# KiCad board STM32MP25XXAJ_DDR4.kicad_pcb (continued)
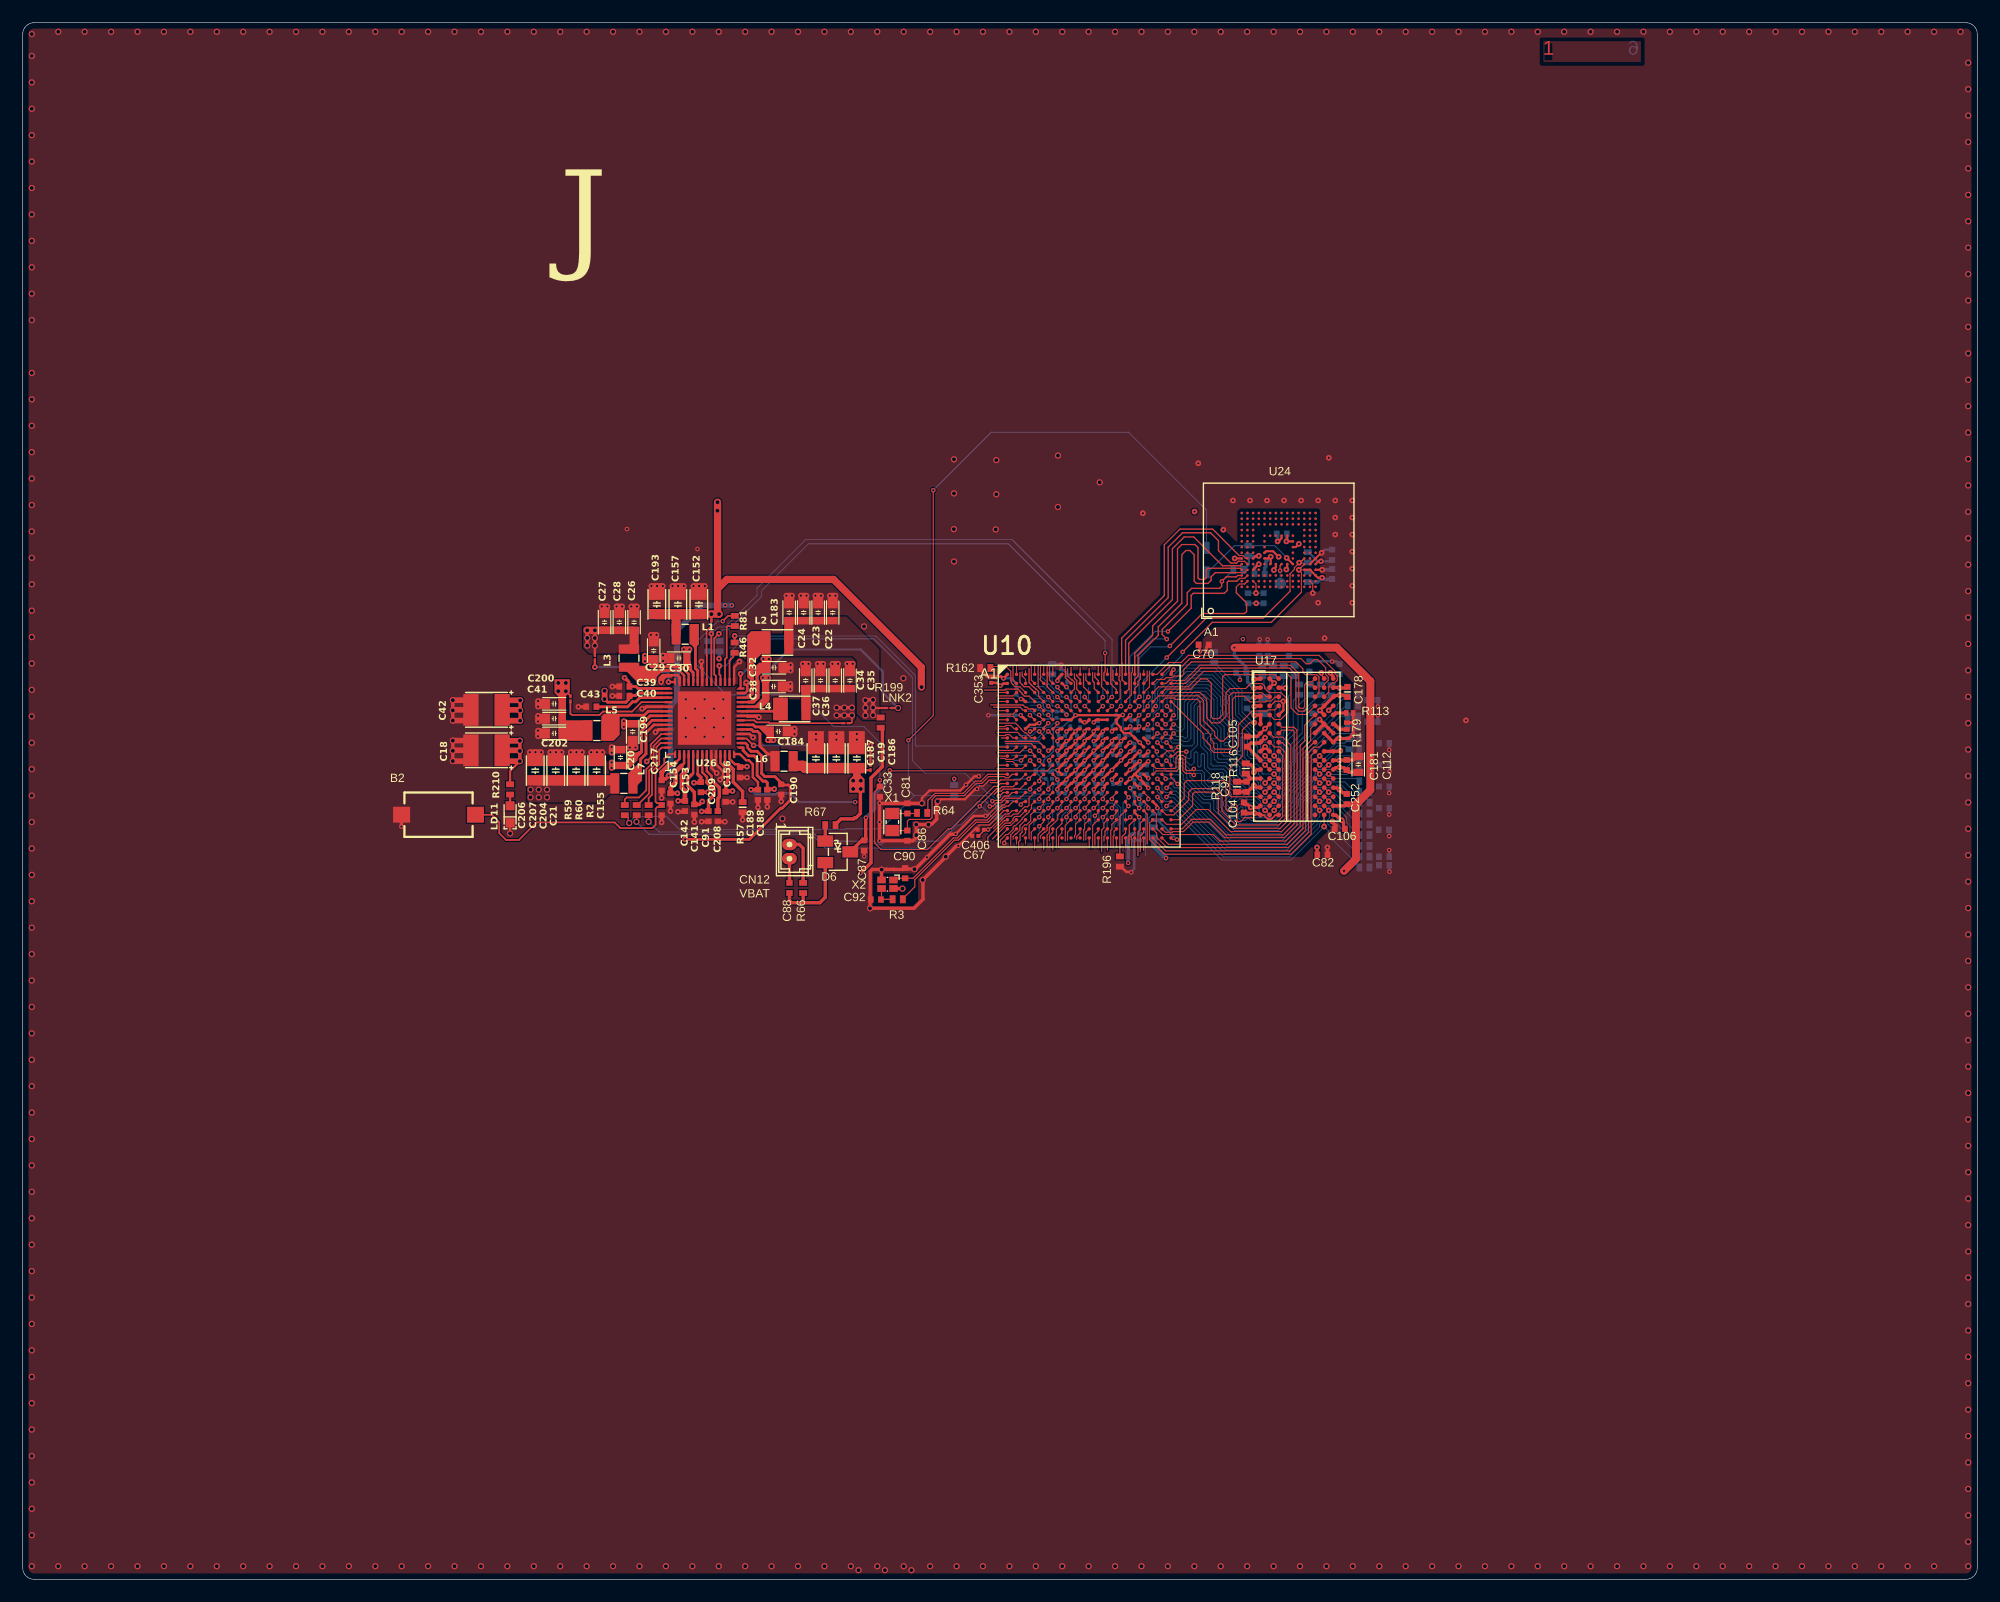
[diagram p0: board, top side]
## Placement (name value [footprint] x y rotation side) (continued)
R266  Resistor  [R0402]  117.05 75.95 0 bottom
R268  Resistor  [R0402]  118.07 74.05 0 bottom
R271  Resistor  [R0402]  117.05 75 0 bottom
R272  Resistor  [R0402]  85.92 67.5 270 bottom
R273  Resistor  [R0402]  118.07 72.15 0 bottom
R275  Resistor  [R0402]  118.07 63.6 0 bottom
R276  Resistor  [R0402]  118.07 73.1 0 bottom
R277  Resistor  [R0402]  118.07 70.25 0 bottom
R278  Resistor  [R0402]  118.07 69.3 0 bottom
R279  Resistor  [R0402]  118.07 68.35 0 bottom
R280  Resistor  [R0402]  118.07 67.4 0 bottom
R281  Resistor  [R0402]  118.07 66.45 0 bottom
R282  Resistor  [R0402]  118.07 65.5 0 bottom
R283  Resistor  [R0402]  118.07 64.55 0 bottom
R284  Resistor  [R0402]  118.07 62.65 0 bottom
TP9  Test Point  [TP_SMD_1MM]  110.67 87.65 90 bottom
U10  IC_STM32MP257FAJ3  [ICC_TFBGA361_16X16_P080]  93.85 72.45 0 top
U17  MT40A2G16TBB-062E:F  [ICC_FBGA96_TBB_7P5X13_P080]  112.12 73.28 0 top
U24  eMMC_THGBMTG5D1LBAIL  [ICC_P-WFBGA153_13X11P5_P050]  110.53 90.6 0 top
U26  STPMIC25APQR  [ICC_QFN56-EPAD_6P5X6P5_P040]  60 75.8 90 top
X1  XTAL_2_PINS  [CRY_NX2012SA_2P]  76.53 66.65 270 top
X2  XTAL_4_PINS  [CRY_NX1612SA_4P]  76.1 61.18 180 top

## Footprints (pads in the part's own frame, mm; a bottom-side part is the same pattern mirrored in y, then rotated)
C0201_H0P5
  rect 0.4x0.5 smd: 1(-0.3,0) 2(0.3,0)
C0201_MURATA_GRM033_H0P3
  rect 0.35x0.35 smd: 1(-0.275,0) 2(0.275,0)
C0402
  rect 0.51x0.56 smd: 1(-0.45,0) 2(0.45,0)
C0402#2
  rect 0.51x0.56 smd: 1(-0.45,0) 2(0.45,0)
C0603
  rect 0.64x0.89 smd: 1(-0.7,0) 2(0.7,0)
C0805
  rect 0.9x1.4 smd: 1(-0.85,0) 2(0.85,0)
C0805#2
  rect 0.9x1.4 smd: 1(-0.85,0) 2(0.85,0)
CON_MOLEX_53047-0210
  oval 1x1.3 hole 0.5: 1(-0.625,0) 2(0.625,0)
CPOL_TCJ-B_1210_H210
  rect 1.35x2.8 smd: 1(-1.375,0) 2(1.375,0)
CRY_NX1612SA_4P
  rect 0.75x0.6 smd: 1(-0.525,-0.375) 2(0.525,-0.375) 3(0.525,0.375) 4(-0.525,0.375)
CRY_NX2012SA_2P
  rect 1x1.25 smd: 1(-0.75,0) 2(0.75,0)
DIO_SOD323
  rect 1.06x0.54 smd: 1(-1.07,0) 2(1.07,0)
DIO_SOT23
  rect 1x1.4 smd: 1(-0.95,-1.1) 2(0.95,-1.1) 3(0,1.1)
ICC_FBGA96_TBB_7P5X13_P080
  round 0.42 smd: A1(-3.2,6) A2(-2.4,6) A3(-1.6,6) A7(1.6,6) A8(2.4,6) A9(3.2,6) B1(-3.2,5.2) B2(-2.4,5.2) B3(-1.6,5.2) B7(1.6,5.2) B8(2.4,5.2) B9(3.2,5.2) C1(-3.2,4.4) C2(-2.4,4.4) C3(-1.6,4.4) C7(1.6,4.4) C8(2.4,4.4) C9(3.2,4.4) D1(-3.2,3.6) D2(-2.4,3.6) D3(-1.6,3.6) D7(1.6,3.6) D8(2.4,3.6) D9(3.2,3.6) E1(-3.2,2.8) E2(-2.4,2.8) E3(-1.6,2.8) E7(1.6,2.8) E8(2.4,2.8) E9(3.2,2.8) F1(-3.2,2) F2(-2.4,2) F3(-1.6,2) F7(1.6,2) F8(2.4,2) F9(3.2,2) G1(-3.2,1.2) G2(-2.4,1.2) G3(-1.6,1.2) G7(1.6,1.2) G8(2.4,1.2) G9(3.2,1.2) H1(-3.2,0.4) H2(-2.4,0.4) H3(-1.6,0.4) H7(1.6,0.4) H8(2.4,0.4) H9(3.2,0.4) J1(-3.2,-0.4) J2(-2.4,-0.4) J3(-1.6,-0.4) J7(1.6,-0.4) J8(2.4,-0.4) J9(3.2,-0.4) K1(-3.2,-1.2) K2(-2.4,-1.2) K3(-1.6,-1.2) K7(1.6,-1.2) K8(2.4,-1.2) K9(3.2,-1.2) L1(-3.2,-2) L2(-2.4,-2) L3(-1.6,-2) L7(1.6,-2) L8(2.4,-2) L9(3.2,-2) M1(-3.2,-2.8) M2(-2.4,-2.8) M3(-1.6,-2.8) M7(1.6,-2.8) M8(2.4,-2.8) M9(3.2,-2.8) N1(-3.2,-3.6) N2(-2.4,-3.6) N3(-1.6,-3.6) N7(1.6,-3.6) N8(2.4,-3.6) N9(3.2,-3.6) P1(-3.2,-4.4) P2(-2.4,-4.4) P3(-1.6,-4.4) P7(1.6,-4.4) P8(2.4,-4.4) P9(3.2,-4.4) R1(-3.2,-5.2) R2(-2.4,-5.2) R3(-1.6,-5.2) R7(1.6,-5.2) R8(2.4,-5.2) R9(3.2,-5.2) T1(-3.2,-6) T2(-2.4,-6) T3(-1.6,-6) T7(1.6,-6) T8(2.4,-6) T9(3.2,-6)
ICC_P-WFBGA153_13X11P5_P050
  round 0.23 smd: A1(-3.25,-3.25) A2(-3.25,-2.75) A3(-3.25,-2.25) A4(-3.25,-1.75) A5(-3.25,-1.25) A6(-3.25,-0.75) A7(-3.25,-0.25) A8(-3.25,0.25) A9(-3.25,0.75) A10(-3.25,1.25) A11(-3.25,1.75) A12(-3.25,2.25) A13(-3.25,2.75) A14(-3.25,3.25) B1(-2.75,-3.25) B2(-2.75,-2.75) B3(-2.75,-2.25) B4(-2.75,-1.75) B5(-2.75,-1.25) B6(-2.75,-0.75) B7(-2.75,-0.25) B8(-2.75,0.25) B9(-2.75,0.75) B10(-2.75,1.25) B11(-2.75,1.75) B12(-2.75,2.25) B13(-2.75,2.75) B14(-2.75,3.25) C1(-2.25,-3.25) C2(-2.25,-2.75) C3(-2.25,-2.25) C4(-2.25,-1.75) C5(-2.25,-1.25) C6(-2.25,-0.75) C7(-2.25,-0.25) C8(-2.25,0.25) C9(-2.25,0.75) C10(-2.25,1.25) C11(-2.25,1.75) C12(-2.25,2.25) C13(-2.25,2.75) C14(-2.25,3.25) D1(-1.75,-3.25) D2(-1.75,-2.75) D3(-1.75,-2.25) D4(-1.75,-1.75) D12(-1.75,2.25) D13(-1.75,2.75) D14(-1.75,3.25) E1(-1.25,-3.25) E2(-1.25,-2.75) E3(-1.25,-2.25) E5(-1.25,-1.25) E6(-1.25,-0.75) E7(-1.25,-0.25) E8(-1.25,0.25) E9(-1.25,0.75) E10(-1.25,1.25) E12(-1.25,2.25) E13(-1.25,2.75) E14(-1.25,3.25) F1(-0.75,-3.25) F2(-0.75,-2.75) F3(-0.75,-2.25) F5(-0.75,-1.25) F10(-0.75,1.25) F12(-0.75,2.25) F13(-0.75,2.75) F14(-0.75,3.25) G1(-0.25,-3.25) G2(-0.25,-2.75) G3(-0.25,-2.25) G5(-0.25,-1.25) G10(-0.25,1.25) G12(-0.25,2.25) G13(-0.25,2.75) G14(-0.25,3.25) H1(0.25,-3.25) H2(0.25,-2.75) H3(0.25,-2.25) H5(0.25,-1.25) H10(0.25,1.25) H12(0.25,2.25) H13(0.25,2.75) H14(0.25,3.25) J1(0.75,-3.25) J2(0.75,-2.75) J3(0.75,-2.25) J5(0.75,-1.25) J10(0.75,1.25) J12(0.75,2.25) J13(0.75,2.75) J14(0.75,3.25) K1(1.25,-3.25) K2(1.25,-2.75) K3(1.25,-2.25) K5(1.25,-1.25) K6(1.25,-0.75) K7(1.25,-0.25) K8(1.25,0.25) K9(1.25,0.75) K10(1.25,1.25) K12(1.25,2.25) K13(1.25,2.75) K14(1.25,3.25) L1(1.75,-3.25) L2(1.75,-2.75) L3(1.75,-2.25) L12(1.75,2.25) L13(1.75,2.75) L14(1.75,3.25) M1(2.25,-3.25) M2(2.25,-2.75) M3(2.25,-2.25) M4(2.25,-1.75) M5(2.25,-1.25) M6(2.25,-0.75) M7(2.25,-0.25) M8(2.25,0.25) M9(2.25,0.75) M10(2.25,1.25) M11(2.25,1.75) M12(2.25,2.25) M13(2.25,2.75) M14(2.25,3.25) N1(2.75,-3.25) N2(2.75,-2.75) N3(2.75,-2.25) N4(2.75,-1.75) N5(2.75,-1.25) N6(2.75,-0.75) N7(2.75,-0.25) N8(2.75,0.25) N9(2.75,0.75) N10(2.75,1.25) N11(2.75,1.75) N12(2.75,2.25) N13(2.75,2.75) N14(2.75,3.25) P1(3.25,-3.25) P2(3.25,-2.75) P3(3.25,-2.25) P4(3.25,-1.75) P5(3.25,-1.25) P6(3.25,-0.75) P7(3.25,-0.25) P8(3.25,0.25) P9(3.25,0.75) P10(3.25,1.25) P11(3.25,1.75) P12(3.25,2.25) P13(3.25,2.75) P14(3.25,3.25)
ICC_QFN56-EPAD_6P5X6P5_P040
  custom 0.15x0.21 smd: (-2.97,2.495) (-2.97,-2.495) (2.97,2.495) (2.97,-2.495)
  custom 0.21x0.15 smd: (-2.495,2.97) (-2.495,-2.97) (2.495,2.97) (2.495,-2.97)
  rect 0.55x0.21 smd: 1(-3.245,2.6) 14(-3.245,-2.6) 29(3.245,-2.6) 42(3.245,2.6)
  rect 0.7x0.21 smd: 2(-3.17,2.2) 3(-3.17,1.8) 4(-3.17,1.4) 5(-3.17,1) 6(-3.17,0.6) 7(-3.17,0.2) 8(-3.17,-0.2) 9(-3.17,-0.6) 10(-3.17,-1) 11(-3.17,-1.4) 12(-3.17,-1.8) 13(-3.17,-2.2) 30(3.17,-2.2) 31(3.17,-1.8) 32(3.17,-1.4) 33(3.17,-1) 34(3.17,-0.6) 35(3.17,-0.2) 36(3.17,0.2) 37(3.17,0.6) 38(3.17,1) 39(3.17,1.4) 40(3.17,1.8) 41(3.17,2.2)
  rect 0.21x0.55 smd: 15(-2.6,-3.245) 28(2.6,-3.245) 43(2.6,3.245) 56(-2.6,3.245)
  rect 0.21x0.7 smd: 16(-2.2,-3.17) 17(-1.8,-3.17) 18(-1.4,-3.17) 19(-1,-3.17) 20(-0.6,-3.17) 21(-0.2,-3.17) 22(0.2,-3.17) 23(0.6,-3.17) 24(1,-3.17) 25(1.4,-3.17) 26(1.8,-3.17) 27(2.2,-3.17) 44(2.2,3.17) 45(1.8,3.17) 46(1.4,3.17) 47(1,3.17) 48(0.6,3.17) 49(0.2,3.17) 50(-0.2,3.17) 51(-0.6,3.17) 52(-1,3.17) 53(-1.4,3.17) 54(-1.8,3.17) 55(-2.2,3.17)
  rect 4.7x4.7 smd: 57(0,0)
ICC_TFBGA361_16X16_P080
  round 0.3 smd: A1(-7.2,7.2) A2(-6.4,7.2) A3(-5.6,7.2) A4(-4.8,7.2) A5(-4,7.2) A6(-3.2,7.2) A7(-2.4,7.2) A8(-1.6,7.2) A9(-0.8,7.2) A10(0,7.2) A11(0.8,7.2) A12(1.6,7.2) A13(2.4,7.2) A14(3.2,7.2) A15(4,7.2) A16(4.8,7.2) A17(5.6,7.2) A18(6.4,7.2) A19(7.2,7.2) B1(-7.2,6.4) B2(-6.4,6.4) B3(-5.6,6.4) B4(-4.8,6.4) B5(-4,6.4) B6(-3.2,6.4) B7(-2.4,6.4) B8(-1.6,6.4) B9(-0.8,6.4) B10(0,6.4) B11(0.8,6.4) B12(1.6,6.4) B13(2.4,6.4) B14(3.2,6.4) B15(4,6.4) B16(4.8,6.4) B17(5.6,6.4) B18(6.4,6.4) B19(7.2,6.4) C1(-7.2,5.6) C2(-6.4,5.6) C3(-5.6,5.6) C4(-4.8,5.6) C5(-4,5.6) C6(-3.2,5.6) C7(-2.4,5.6) C8(-1.6,5.6) C9(-0.8,5.6) C10(0,5.6) C11(0.8,5.6) C12(1.6,5.6) C13(2.4,5.6) C14(3.2,5.6) C15(4,5.6) C16(4.8,5.6) C17(5.6,5.6) C18(6.4,5.6) C19(7.2,5.6) D1(-7.2,4.8) D2(-6.4,4.8) D3(-5.6,4.8) D4(-4.8,4.8) D5(-4,4.8) D6(-3.2,4.8) D7(-2.4,4.8) D8(-1.6,4.8) D9(-0.8,4.8) D10(0,4.8) D11(0.8,4.8) D12(1.6,4.8) D13(2.4,4.8) D14(3.2,4.8) D15(4,4.8) D16(4.8,4.8) D17(5.6,4.8) D18(6.4,4.8) D19(7.2,4.8) E1(-7.2,4) E2(-6.4,4) E3(-5.6,4) E4(-4.8,4) E5(-4,4) E6(-3.2,4) E7(-2.4,4) E8(-1.6,4) E9(-0.8,4) E10(0,4) E11(0.8,4) E12(1.6,4) E13(2.4,4) E14(3.2,4) E15(4,4) E16(4.8,4) E17(5.6,4) E18(6.4,4) E19(7.2,4) F1(-7.2,3.2) F2(-6.4,3.2) F3(-5.6,3.2) F4(-4.8,3.2) F5(-4,3.2) F6(-3.2,3.2) F7(-2.4,3.2) F8(-1.6,3.2) F9(-0.8,3.2) F10(0,3.2) F11(0.8,3.2) F12(1.6,3.2) F13(2.4,3.2) F14(3.2,3.2) F15(4,3.2) F16(4.8,3.2) F17(5.6,3.2) F18(6.4,3.2) F19(7.2,3.2) G1(-7.2,2.4) G2(-6.4,2.4) G3(-5.6,2.4) G4(-4.8,2.4) G5(-4,2.4) G6(-3.2,2.4) G7(-2.4,2.4) G8(-1.6,2.4) G9(-0.8,2.4) G10(0,2.4) G11(0.8,2.4) G12(1.6,2.4) G13(2.4,2.4) G14(3.2,2.4) G15(4,2.4) G16(4.8,2.4) G17(5.6,2.4) G18(6.4,2.4) G19(7.2,2.4) H1(-7.2,1.6) H2(-6.4,1.6) H3(-5.6,1.6) H4(-4.8,1.6) H5(-4,1.6) H6(-3.2,1.6) H7(-2.4,1.6) H8(-1.6,1.6) H9(-0.8,1.6) H10(0,1.6) H11(0.8,1.6) H12(1.6,1.6) H13(2.4,1.6) H14(3.2,1.6) H15(4,1.6) H16(4.8,1.6) H17(5.6,1.6) H18(6.4,1.6) H19(7.2,1.6) J1(-7.2,0.8) J2(-6.4,0.8) J3(-5.6,0.8) J4(-4.8,0.8) J5(-4,0.8) J6(-3.2,0.8) J7(-2.4,0.8) J8(-1.6,0.8) J9(-0.8,0.8) J10(0,0.8) J11(0.8,0.8) J12(1.6,0.8) J13(2.4,0.8) J14(3.2,0.8) J15(4,0.8) J16(4.8,0.8) J17(5.6,0.8) J18(6.4,0.8) J19(7.2,0.8) K1(-7.2,0) K2(-6.4,0) K3(-5.6,0) K4(-4.8,0) K5(-4,0) K6(-3.2,0) K7(-2.4,0) K8(-1.6,0) K9(-0.8,0) K10(0,0) K11(0.8,0) K12(1.6,0) K13(2.4,0) K14(3.2,0) K15(4,0) K16(4.8,0) K17(5.6,0) K18(6.4,0) K19(7.2,0) L1(-7.2,-0.8) L2(-6.4,-0.8) L3(-5.6,-0.8) L4(-4.8,-0.8) L5(-4,-0.8) L6(-3.2,-0.8) L7(-2.4,-0.8) L8(-1.6,-0.8) L9(-0.8,-0.8) L10(0,-0.8) L11(0.8,-0.8) L12(1.6,-0.8) L13(2.4,-0.8) L14(3.2,-0.8) L15(4,-0.8) L16(4.8,-0.8) L17(5.6,-0.8) L18(6.4,-0.8) L19(7.2,-0.8) M1(-7.2,-1.6) M2(-6.4,-1.6) M3(-5.6,-1.6) M4(-4.8,-1.6) M5(-4,-1.6) M6(-3.2,-1.6) M7(-2.4,-1.6) M8(-1.6,-1.6) M9(-0.8,-1.6) M10(0,-1.6) M11(0.8,-1.6) M12(1.6,-1.6) M13(2.4,-1.6) M14(3.2,-1.6) M15(4,-1.6) M16(4.8,-1.6) M17(5.6,-1.6) M18(6.4,-1.6) M19(7.2,-1.6) N1(-7.2,-2.4) N2(-6.4,-2.4) N3(-5.6,-2.4) N4(-4.8,-2.4) N5(-4,-2.4) N6(-3.2,-2.4) N7(-2.4,-2.4) N8(-1.6,-2.4) N9(-0.8,-2.4) N10(0,-2.4) N11(0.8,-2.4) N12(1.6,-2.4) N13(2.4,-2.4) N14(3.2,-2.4) N15(4,-2.4) N16(4.8,-2.4) N17(5.6,-2.4) N18(6.4,-2.4) N19(7.2,-2.4) P1(-7.2,-3.2) P2(-6.4,-3.2) P3(-5.6,-3.2) P4(-4.8,-3.2) P5(-4,-3.2) P6(-3.2,-3.2) P7(-2.4,-3.2) P8(-1.6,-3.2) P9(-0.8,-3.2) P10(0,-3.2) P11(0.8,-3.2) P12(1.6,-3.2) P13(2.4,-3.2) P14(3.2,-3.2) P15(4,-3.2) P16(4.8,-3.2) P17(5.6,-3.2) P18(6.4,-3.2) P19(7.2,-3.2) R1(-7.2,-4) R2(-6.4,-4) R3(-5.6,-4) R4(-4.8,-4) R5(-4,-4) R6(-3.2,-4) R7(-2.4,-4) R8(-1.6,-4) R9(-0.8,-4) R10(0,-4) R11(0.8,-4) R12(1.6,-4) R13(2.4,-4) R14(3.2,-4) R15(4,-4) R16(4.8,-4) R17(5.6,-4) R18(6.4,-4) R19(7.2,-4) T1(-7.2,-4.8) T2(-6.4,-4.8) T3(-5.6,-4.8) T4(-4.8,-4.8) T5(-4,-4.8) T6(-3.2,-4.8) T7(-2.4,-4.8) T8(-1.6,-4.8) T9(-0.8,-4.8) T10(0,-4.8) T11(0.8,-4.8) T12(1.6,-4.8) T13(2.4,-4.8) T14(3.2,-4.8) T15(4,-4.8) T16(4.8,-4.8) T17(5.6,-4.8) T18(6.4,-4.8) T19(7.2,-4.8) U1(-7.2,-5.6) U2(-6.4,-5.6) U3(-5.6,-5.6) U4(-4.8,-5.6) U5(-4,-5.6) U6(-3.2,-5.6) U7(-2.4,-5.6) U8(-1.6,-5.6) U9(-0.8,-5.6) U10(0,-5.6) U11(0.8,-5.6) U12(1.6,-5.6) U13(2.4,-5.6) U14(3.2,-5.6) U15(4,-5.6) U16(4.8,-5.6) U17(5.6,-5.6) U18(6.4,-5.6) U19(7.2,-5.6) V1(-7.2,-6.4) V2(-6.4,-6.4) V3(-5.6,-6.4) V4(-4.8,-6.4) V5(-4,-6.4) V6(-3.2,-6.4) V7(-2.4,-6.4) V8(-1.6,-6.4) V9(-0.8,-6.4) V10(0,-6.4) V11(0.8,-6.4) V12(1.6,-6.4) V13(2.4,-6.4) V14(3.2,-6.4) V15(4,-6.4) V16(4.8,-6.4) V17(5.6,-6.4) V18(6.4,-6.4) V19(7.2,-6.4) W1(-7.2,-7.2) W2(-6.4,-7.2) W3(-5.6,-7.2) W4(-4.8,-7.2) W5(-4,-7.2) W6(-3.2,-7.2) W7(-2.4,-7.2) W8(-1.6,-7.2) W9(-0.8,-7.2) W10(0,-7.2) W11(0.8,-7.2) W12(1.6,-7.2) W13(2.4,-7.2) W14(3.2,-7.2) W15(4,-7.2) W16(4.8,-7.2) W17(5.6,-7.2) W18(6.4,-7.2) W19(7.2,-7.2)
IND_2016_MURATA_LQM2MPN2R2NG0
  rect 0.8x1.8 smd: 1(-0.8,0) 2(0.8,0)
IND_2520_TOKO_DFE252012P
  rect 0.8x2 smd: 1(-1,0) 2(1,0)
LED_0603_OSRAM_LG-Q396-PS-35_GREEN_1A2K_H0P4
  rect 0.8x0.8 smd: 1(-0.75,0) 2(0.75,0)
LINK200
  rect 0.2x0.35 smd: 1(0,-0.225) 2(0,0.225)
R0201_H0P23
  rect 0.4x0.5 smd: 1(-0.3,0) 2(0.3,0)
R0402
  rect 0.51x0.7 smd: 1(-0.45,0) 2(0.45,0)
R0402#2
  rect 0.51x0.7 smd: 1(-0.45,0) 2(0.45,0)
SWI_WE_434121025816
  rect 1.5x1.4 smd: 1(-3.25,0) 2(3.25,0)
TP_SMD_1MM
  round 1 smd: 1(0,0)

## Nets
1V8: C67.2 C79.2 C152.2 C157.2 C165.2 C171.2 C193.2 C196.2 C210.2 C344.2 C352.2 C354.2 C356.2 C404.2 C406.2 C478.2 C479.2 L1.2 LNK1.2 R37.2 R44.2 R49.2 R248.2 U10.B7 U10.D3 U10.F7 U10.F8 U10.F13 U10.G3 U10.H15 U10.J16 U10.N6 U10.R17 U10.T2 U10.T15 U24.C6 U24.M4 U24.N4 U24.P3 U24.P5
1V8_FB: LNK1.1 U26.35
3V3: C21.2 C154.2 C204.2 C206.2 C207.2 L7.2 U26.3 U26.53
5V_STLK: C18.1 C20.2 C29.2 C30.2 C32.2 C38.2 C42.1 C153.2 C184.2 C188.2 C199.2 C209.2 R210.1 U26.6 U26.11 U26.15 U26.20 U26.24 U26.25 U26.38 U26.39 U26.49 U26.50
5V_VCONN: C141.1 U26.5
GND: B2.1 C18.2 C19.1 C20.1 C21.1 C22.1 C23.1 C24.1 C26.1 C27.1 C28.1 C29.1 C30.1 C32.1 C33.1 C34.1 C35.1 C36.1 C37.1 C38.1 C39.1 C40.1 C41.1 C42.2 C43.1 C67.1 C70.1 C79.1 C81.2 C82.1 C86.2 C87.1 C90.1 C91.2 C92.2 C94.1 C104.1 C105.1 C106.1 C112.1 C141.2 C142.2 C143.1 C144.1 C145.1 C146.1 C152.1 C153.1 C154.1 C155.1 C156.1 C157.1 C159.1 C160.1 C161.1 C163.1 C164.2 C165.1 C166.1 C167.1 C168.1 C169.1 C171.1 C172.1 C173.2 C174.2 C175.1 C176.1 C177.1 C178.1 C179.1 C180.1 C181.1 C182.1 C183.1 C184.1 C186.1 C187.1 C188.1 C189.1 C190.2 C191.2 C192.1 C193.1 C195.1 C196.1 C199.1 C200.1 C201.1 C202.1 C204.1 C206.1 C207.1 C208.2 C209.1 C210.1 C217.2 C218.1 C226.1 C239.1 C252.1 C254.1 C255.1 C256.1 C257.1 C258.1 C259.1 C261.1 C265.1 C266.1 C342.1 C344.1 C352.1 C353.1 C354.1 C355.1 C356.1 C357.1 C360.2 C372.1 C377.1 C378.1 C380.1 C381.1 C382.1 C383.1 C384.1 C386.1 C387.2 C388.1 C389.2 C390.1 C393.1 C399.2 C400.1 C402.1 C404.1 C406.1 C407.1 C408.1 C409.1 C417.1 C478.1 C479.1 C481.1 LD11.2 R57.1 R112.1 R113.1 R118.1 R161.2 R162.2 R176.1 R179.1 R196.1 U10.A1 U10.A19 U10.G7 U10.G9 U10.G11 U10.G13 U10.G15 U10.H8 U10.H10 U10.H12 U10.H14 U10.H16 U10.J7 U10.J9 U10.J11 U10.J13 U10.J15 U10.K8 U10.K10 U10.K12 U10.K14 U10.K16 U10.L7 U10.L9 U10.L11 U10.L13 U10.L15 U10.M7 U10.M8 U10.M10 U10.M12 U10.M14 U10.M16 U10.N7 U10.N9 U10.N11 U10.N13 U10.N15 U10.T1 U10.W1 U10.W19 U17.A2 U17.A8 U17.B2 U17.C9 U17.D2 U17.D8 U17.E1 U17.E3 U17.E8 U17.F1 U17.G8 U17.H1 U17.H9 U17.K1 U17.K9 U17.N1 U17.N9 U17.T1 U17.T3 U24.A6 U24.C4 U24.E7 U24.G5 U24.H10 U24.J5 U24.K8 U24.N2 U24.N5 U24.P4 U24.P6 U26.9 U26.10 U26.18 U26.22 U26.27 U26.36 U26.41 U26.47 U26.52 U26.57 X2.2 X2.4
VBAT: C87.2 D6.3 U10.L6
VDD3V3_USB: C156.2 R197.1 U26.13
VDD_DDR: C39.2 C41.2 C70.2 C82.2 C104.2 C105.2 C106.2 C112.2 C172.2 C175.2 C176.2 C178.2 C179.2 C181.2 C195.2 C200.2 C201.2 C202.2 C218.2 C377.2 C383.2 C386.2 C389.1 L5.2 LNK8.2 R116.1 U10.G14 U10.J14 U10.K15 U10.L14 U10.L16 U10.M15 U10.N14 U10.N16 U17.A1 U17.A9 U17.B3 U17.B9 U17.C1 U17.D1 U17.D9 U17.F2 U17.F8 U17.G1 U17.G7 U17.G9 U17.J1 U17.J2 U17.J8 U17.J9 U17.L1 U17.L9 U17.R1 U17.T9 U26.43
VDD_DDR_FB: LNK8.1 U26.46
VDD_EMMC: C177.2 C180.2 C190.1 U24.E6 U24.F5 U24.J10 U24.K9 U26.16
VDD_SDCARD: C142.1 U26.4
VDDA1V8_AON: C189.2 C393.2 U10.M6 U10.P1 U26.14
VDDCORE: C22.2 C23.2 C24.2 C161.2 C164.1 C166.2 C167.2 C169.2 C173.1 C183.2 C353.2 C355.2 C372.2 C378.2 C390.2 L2.2 LNK2.2 R199.1 U10.A7 U10.B1 U10.F3 U10.G8 U10.G10 U10.H7 U10.H9 U10.J8 U10.J10 U10.K7 U10.K9
VDDCORE_FB: LNK2.1 U26.28
VDDCPU: C26.2 C27.2 C28.2 C159.2 C163.2 C168.2 C174.1 C360.1 L3.2 LNK4.1 U10.G12 U10.H11 U10.H13 U10.J12 U10.K13
VDDCPU_FB: LNK4.2 U26.42
VDDGPU: C34.2 C35.2 C36.2 C37.2 C191.1 C381.2 C382.2 C388.2 C402.2 L4.2 LNK7.2 U10.K11 U10.L12 U10.M11 U10.M13 U10.N12
VDDGPU_FB: LNK7.1 U26.21
VDDIO: C19.2 C143.2 C186.2 C187.2 C192.2 C342.2 C380.2 C387.1 C399.1 C400.2 L6.2 LNK11.2 R27.2 R67.2 R260.2 R261.2 U10.F9 U10.F10 U10.F11 U10.F12 U10.L8 U10.L10 U10.M9 U10.N8 U10.N10 U26.29
VDDIO_FB: LNK11.1 U26.17
VDDIO_SDCARD: C217.1 C357.2 U10.F14 U26.2
ANA0: U10.V14
ANA1: U10.W14
BOOT0: U10.N3
BOOT1: U10.N4
BOOT2: U10.R3
BOOT3: U10.P4
COMBOPHY_RX1N: U10.W12
COMBOPHY_RX1P: U10.V12
COMBOPHY_TX1N: U10.W11
COMBOPHY_TX1P: U10.V11
CSI_CKN: U10.C2
CSI_CKP: U10.C1
CSI_D0N: U10.E1
CSI_D0P: U10.E2
CSI_D1N: U10.D2
CSI_D1P: U10.D1
DDR_A0: R265.1 U10.H19 U17.P3
DDR_A1: R281.1 U10.N18 U17.P7
DDR_A2: R268.1 U10.K18 U17.R3
DDR_A3: R279.1 U10.M18 U17.N7
DDR_A4: R263.1 U10.G19 U17.N3
DDR_A5: R282.1 U10.P19 U17.P8
DDR_A6: R264.1 U10.H18 U17.P2
DDR_A7: R275.1 U10.R19 U17.R8
DDR_A8: R266.1 U10.H17 U17.R2
DDR_A9: R283.1 U10.P18 U17.R7
DDR_A10: R254.1 U10.F19 U17.M3
DDR_A11: R271.1 U10.K19 U17.T2
DDR_A12: R277.1 U10.L18 U17.M7
DDR_A13: R284.1 U10.R18 U17.T8
DDR_ACTN: R256.1 U10.E19 U17.L3
DDR_BA0: R253.1 U10.G18 U17.N2
DDR_BA1: R280.1 U10.N19 U17.N8
DDR_BG0: R255.1 U10.F18 U17.M2
DDR_BG1: R252.1 U10.L19 U17.M9
DDR_CASN: R278.1 U10.M19 U17.M8
DDR_CKE: R259.1 U10.F17 U17.K2
DDR_CLK_N: R177.2 U10.L17 U17.K8
DDR_CLK_P: R177.1 U10.M17 U17.K7
DDR_CSN: R273.1 U10.J17 U17.L7
DDR_DQ0: U10.W18 U17.F7
DDR_DQ1: U10.W17 U17.H8
DDR_DQ2: U10.V17 U17.H7
DDR_DQ3: U10.U17 U17.J7
DDR_DQ4: U10.T19 U17.J3
DDR_DQ5: U10.T18 U17.H2
DDR_DQ6: U10.U19 U17.H3
DDR_DQ7: U10.U18 U17.G2
DDR_DQ8: U10.C17 U17.D7
DDR_DQ9: U10.A18 U17.B8
DDR_DQ10: U10.B17 U17.C7
DDR_DQ11: U10.A17 U17.C8
DDR_DQ12: U10.D19 U17.D3
DDR_DQ13: U10.D18 U17.C3
DDR_DQ14: U10.D17 U17.C2
DDR_DQ15: U10.C18 U17.A3
DDR_DQM0: U10.T17 U17.E7
DDR_DQM1: U10.C19 U17.E2
DDR_DQS0_N: U10.V18 U17.F3
DDR_DQS0_P: U10.V19 U17.G3
DDR_DQS1_N: U10.B18 U17.A7
DDR_DQS1_P: U10.B19 U17.B7
DDR_ODT: R258.1 U10.J19 U17.K3
DDR_RASN: R276.1 U10.J18 U17.L8
DDR_RESETN: R176.2 U10.E17 U17.P1
DDR_WEN: R257.1 U10.E18 U17.L2
DSI_CKN: U10.B4
DSI_CKP: U10.A4
DSI_D0N: U10.A6
DSI_D0P: U10.B6
DSI_D1N: U10.A5
DSI_D1P: U10.B5
DSI_D2N: U10.A3
DSI_D2P: U10.B3
DSI_D3N: U10.A2
DSI_D3P: U10.B2
eMMC.SDMMC2_CK: R49.1 U10.F15 U24.M6
eMMC.SDMMC2_CMD: R37.1 U10.F16 U24.M5
eMMC.SDMMC2_D0: R44.1 U10.E15 U24.A3
eMMC.SDMMC2_D1: U10.A15 U24.A4
eMMC.SDMMC2_D2: U10.C14 U24.A5
eMMC.SDMMC2_D3: U10.D15 U24.B2
eMMC.SDMMC2_D4: U10.E14 U24.B3
eMMC.SDMMC2_D5: U10.B15 U24.B4
eMMC.SDMMC2_D6: U10.A14 U24.B5
eMMC.SDMMC2_D7: U10.B14 U24.B6
HSE_IN: C90.2 U10.R1 X2.1
HSE_OUT: R3.2 U10.R2
I2C7.SCL: R261.1 U10.B12 U26.33
I2C7.SDA: R260.1 U10.D12 U26.34
JTCK_SWCLK: U10.V1
JTDI: U10.W2
JTDO_SWDO: U10.U1
JTMS_SWDIO: U10.V2
LVDS1_D0N: U10.F2
LVDS1_D0P: U10.F1
LVDS1_D1N: U10.G2
LVDS1_D1P: U10.G1
LVDS1_D2N: U10.H2
LVDS1_D2P: U10.H1
LVDS1_D3N: U10.K2
LVDS1_D3P: U10.K1
LVDS1_D4N: U10.J2
LVDS1_D4P: U10.J1
MP257_WAKEUP: U10.P5 U26.32
NetB2_2: B2.2 C155.2 U26.1
NetC43_2: C43.2 U26.45
NetC81_1: C81.1 R64.2 X1.1
NetC88_1: C88.1 CN12.2
NetC88_2: C88.2 D6.2 R66.2
NetC92_1: C92.1 R3.1 X2.3
NetC94_2: C94.2 R116.2 R118.2 U17.M1
NetC182_2: C182.2 C481.2 U24.C2
NetC208_1: C208.1 U26.8
NetC384_2: C384.2 U10.K6
NetC407_2: C407.2 C409.2 C417.2 R199.2 U10.P15 U10.R15 U10.U14
NetC408_2: C408.2 R197.2 U10.R16
NetCN12_1: CN12.1 R66.1
NetD5_1: D5.1 R248.1 U24.K5
NetD6_1: D6.1 R67.1
NetL1_1: L1.1 U26.37
NetL2_1: L2.1 U26.26
NetL3_1: L3.1 U26.40
NetL4_1: L4.1 U26.23
NetL5_1: L5.1 U26.48
NetL6_1: L6.1 U26.19
NetL7_1: L7.1 U26.51
NetLD11_1: LD11.1 R210.2
NetR2_2: R2.2 U26.56
NetR46_2: R46.2 U26.30
NetR57_2: R57.2 U26.12
NetR59_2: R59.2 U26.54
NetR60_2: R60.2 U26.55
NetR81_2: R81.2 U26.31
NetR112_2: R112.2 U10.G16
NetR113_2: R113.2 U17.E9
NetR161_1: R161.1 U10.C7
NetR162_1: R162.1 U10.C3
NetR179_2: R179.2 U17.F9
NetR196_2: R196.2 U10.T14
NetTP9_1: TP9.1 U24.H5
NJTRST: U10.U2
NRST: C33.2 R81.1 U10.N1
NRSTC1MS: D5.2 R27.1 R59.1 R272.1 U10.P2
OSC32_IN: C86.1 U10.M2 X1.2
OSC32_OUT: R64.1 U10.M1
PA1: U10.P14
PA2: U10.T10
PA3: U10.U12
PA4: U10.T13
PA5: U10.T11
PA6: U10.P11
PA7: U10.P12
PA8: U10.U13
PA9: U10.V10
PA10: U10.W10
PA11: U10.R8
PA12: U10.R9
PA13: U10.P9
PA14: U10.P8
PA15: U10.U9
PB0: U10.A9
PB1: U10.C8
PB2: U10.C9
PB3: U10.E8
PB4: U10.B10
PB5: U10.A10
PB6: U10.B9
PB7: U10.B8
PB8: U10.D8
PB9: U10.E7
PB10: U10.A8
PB11: U10.D7
PB12: U10.B16
PB13: U10.C15
PB14: U10.E16
PB15: U10.W3
PC0: U10.P10
PC1: U10.V9
PC2: U10.V8
PC3: U10.V5
PC4: U10.T6
PC5: U10.R7
PC6: U10.T7
PC7: U10.U6
PC8: U10.V6
PC9: U10.W6
PC10: U10.U7
PC11: U10.U5
PC12: U10.V4
PCIE_CLKINN: U10.W13
PCIE_CLKINP: U10.V13
PD0: U10.B11
PD1: U10.A12
PD2: U10.D9
PD3: U10.C10
PD4: U10.E10
PD5: U10.D11
PD6: U10.E12
PD7: U10.E11
PD8: U10.A11
PD9: U10.E9
PD10: U10.C11
PD11: U10.D10
PD12: U10.A16
PD13: U10.D16
PE0: U10.A13
PE1: U10.B13
PE2: U10.C13
PE3: U10.D14
PE4: U10.D13
PE5: U10.E13
PF0: U10.R10
PF1: U10.U8
PF2: U10.R11
PF3: U10.T9
PF4: U10.W5
PF5: U10.P7
PF6: U10.R5
PF7: U10.R6
PF8: U10.T5
PF9: U10.U4
PF10: U10.P6
PF11: U10.R4
PF12: U10.J5
PF13: U10.G6
PF14: U10.F5
PF15: U10.G5
PG0: U10.W4
PG1: U10.T3
PG2: U10.T4
PG3: U10.U3
PG4: U10.V3
PG5: U10.H3
PG6: U10.J3
PG7: U10.F6
PG8: U10.D4
PG9: U10.E4
PG10: U10.E5
PG11: U10.E6
PG12: U10.G4
PG13: U10.H5
PG14: U10.E3
PG15: U10.C6
PH2: U10.P13
PH3: U10.T12
PH4: U10.R13
PH5: U10.R14
PH6: U10.R12
PH7: U10.U10
PH8: U10.U11
PH9: U10.T8
PH10: U10.W9
PH11: U10.W8
PH12: U10.V7
PH13: U10.W7
PI0: U10.D6
PI1: U10.F4
PI2: U10.J6
PI3: U10.H4
PI4: U10.H6
PI5: U10.D5
PI6: U10.C5
PI7: U10.C4
PI8: U10.N5
PI9: U10.J4
PI10: U10.C12
PI11: U10.C16
PMIC_WAKEUPn: R46.1 U10.K5
PWR_CPU_ON: R60.1 R272.2 U10.N2
PWR_ON: R2.1 U10.P3
PZ0: U10.L5
PZ1: U10.M3
PZ2: U10.L3
PZ3: U10.M5
PZ4: U10.L4
PZ5: U10.M4
PZ6: U10.K4
PZ7: U10.L2
PZ8: U10.K3
PZ9: U10.L1
UCPD1_CC1: U10.P16
UCPD1_CC2: U10.U15
USB3DR_DM: U10.V16
USB3DR_DP: U10.W16
USB3DR_TXRTUNE: U10.T16
USBH_HS_DM: U10.V15
USBH_HS_DP: U10.W15
USBH_HS_TXRTUNE: U10.U16
VPP_DDR: C91.1 C252.2 C255.2 U17.B1 U17.R9 U26.7
VTT_DDR: C40.2 C144.2 C145.2 C146.2 C160.2 C226.2 C239.2 C254.2 C256.2 C257.2 C258.2 C259.2 C261.2 C265.2 C266.2 R252.2 R253.2 R254.2 R255.2 R256.2 R257.2 R258.2 R259.2 R263.2 R264.2 R265.2 R266.2 R268.2 R271.2 R273.2 R275.2 R276.2 R277.2 R278.2 R279.2 R280.2 R281.2 R282.2 R283.2 R284.2 U26.44

Pads without a net: U10 G17 K17 N17 P17; U17 P9 T7; U24 A1 A2 A7 A8 A9 A10 A11 A12 A13 A14 B1 B7 B8 B9 B10 B11 B12 B13 B14 C1 C3 C5 C7 C8 C9 C10 C11 C12 C13 C14 D1 D2 D3 D4 D12 D13 D14 E1 E2 E3 E5 E8 E9 E10 E12 E13 E14 F1 F2 F3 F10 F12 F13 F14 G1 G2 G3 G10 G12 G13 G14 H1 H2 H3 H12 H13 H14 J1 J2 J3 J12 J13 J14 K1 K2 K3 K6 K7 K10 K12 K13 K14 L1 L2 L3 L12 L13 L14 M1 M2 M3 M7 M8 M9 M10 M11 M12 M13 M14 N1 N3 N6 N7 N8 N9 N10 N11 N12 N13 N14 P1 P2 P7 P8 P9 P10 P11 P12 P13 P14

## Via types
v1: diameter 0.4, hole 0.2, Top Layer to Bottom Layer, 256 vias
v2: diameter 0.5, hole 0.2, Top Layer to Bottom Layer, 250 vias
v3: diameter 0.55, hole 0.35, Top Layer to Bottom Layer, 344 vias
